# KiCad board poly_kb_molecule_16x5.kicad_pcb (continued)
## Nets (continued)
Net-(C1-Pad1): C1.1 C1#2.1 C1#3.1 C1#4.1 C1#5.1 C1#6.1 C1#7.1 C1#8.1 C1#9.1 C1#10.1 C1#11.1 C1#12.1 C1#13.1 C1#14.1 C1#15.1 C1#16.1 C1#17.1 C1#18.1 C1#19.1 C1#20.1 C1#21.1 C1#22.1 C1#23.1 C1#24.1 C1#25.1 C1#26.1 C1#27.1 C1#28.1 C1#29.1 C1#30.1 C1#31.1 C1#32.1 C1#33.1 C1#34.1 C1#35.1 C1#36.1 C1#37.1 C1#38.1 C1#39.1 C1#40.1 C1#41.1 C1#42.1 C1#43.1 C1#44.1 C1#45.1 C1#46.1 C1#47.1 C1#48.1 C1#49.1 C1#50.1 C1#51.1 C1#52.1 C1#53.1 C1#54.1 C1#55.1 C1#56.1 C1#57.1 C1#58.1 C1#59.1 C1#60.1 C1#61.1 C1#62.1 C1#63.1 C1#64.1 C1#65.1 C1#66.1 C1#67.1 C1#68.1 C1#69.1 C1#70.1 C1#71.1 C1#72.1 C1#73.1 C1#74.1 C1#75.1 C1#76.1 C1#77.1 C1#78.1 C1#79.1 C1#80.1 J1.16 J1#2.16 J1#3.16 J1#4.16 J1#5.16 J1#6.16 J1#7.16 J1#8.16 J1#9.16 J1#10.16 J1#11.16 J1#12.16 J1#13.16 J1#14.16 J1#15.16 J1#16.16 J1#17.16 J1#18.16 J1#19.16 J1#20.16 J1#21.16 J1#22.16 J1#23.16 J1#24.16 J1#25.16 J1#26.16 J1#27.16 J1#28.16 J1#29.16 J1#30.16 J1#31.16 J1#32.16 J1#33.16 J1#34.16 J1#35.16 J1#36.16 J1#37.16 J1#38.16 J1#39.16 J1#40.16 J1#41.16 J1#42.16 J1#43.16 J1#44.16 J1#45.16 J1#46.16 J1#47.16 J1#48.16 J1#49.16 J1#50.16 J1#51.16 J1#52.16 J1#53.16 J1#54.16 J1#55.16 J1#56.16 J1#57.16 J1#58.16 J1#59.16 J1#60.16 J1#61.16 J1#62.16 J1#63.16 J1#64.16 J1#65.16 J1#66.16 J1#67.16 J1#68.16 J1#69.16 J1#70.16 J1#71.16 J1#72.16 J1#73.16 J1#74.16 J1#75.16 J1#76.16 J1#77.16 J1#78.16 J1#79.16 J1#80.16
Net-(C4-Pad1): C4.1 C4#2.1 C4#3.1 C4#4.1 C4#5.1 C4#6.1 C4#7.1 C4#8.1 C4#9.1 C4#10.1 C4#11.1 C4#12.1 C4#13.1 C4#14.1 C4#15.1 C4#16.1 C4#17.1 C4#18.1 C4#19.1 C4#20.1 C4#21.1 C4#22.1 C4#23.1 C4#24.1 C4#25.1 C4#26.1 C4#27.1 C4#28.1 C4#29.1 C4#30.1 C4#31.1 C4#32.1 C4#33.1 C4#34.1 C4#35.1 C4#36.1 C4#37.1 C4#38.1 C4#39.1 C4#40.1 C4#41.1 C4#42.1 C4#43.1 C4#44.1 C4#45.1 C4#46.1 C4#47.1 C4#48.1 C4#49.1 C4#50.1 C4#51.1 C4#52.1 C4#53.1 C4#54.1 C4#55.1 C4#56.1 C4#57.1 C4#58.1 C4#59.1 C4#60.1 C4#61.1 C4#62.1 C4#63.1 C4#64.1 C4#65.1 C4#66.1 C4#67.1 C4#68.1 C4#69.1 C4#70.1 C4#71.1 C4#72.1 C4#73.1 C4#74.1 C4#75.1 C4#76.1 C4#77.1 C4#78.1 C4#79.1 C4#80.1 J1.15 J1#2.15 J1#3.15 J1#4.15 J1#5.15 J1#6.15 J1#7.15 J1#8.15 J1#9.15 J1#10.15 J1#11.15 J1#12.15 J1#13.15 J1#14.15 J1#15.15 J1#16.15 J1#17.15 J1#18.15 J1#19.15 J1#20.15 J1#21.15 J1#22.15 J1#23.15 J1#24.15 J1#25.15 J1#26.15 J1#27.15 J1#28.15 J1#29.15 J1#30.15 J1#31.15 J1#32.15 J1#33.15 J1#34.15 J1#35.15 J1#36.15 J1#37.15 J1#38.15 J1#39.15 J1#40.15 J1#41.15 J1#42.15 J1#43.15 J1#44.15 J1#45.15 J1#46.15 J1#47.15 J1#48.15 J1#49.15 J1#50.15 J1#51.15 J1#52.15 J1#53.15 J1#54.15 J1#55.15 J1#56.15 J1#57.15 J1#58.15 J1#59.15 J1#60.15 J1#61.15 J1#62.15 J1#63.15 J1#64.15 J1#65.15 J1#66.15 J1#67.15 J1#68.15 J1#69.15 J1#70.15 J1#71.15 J1#72.15 J1#73.15 J1#74.15 J1#75.15 J1#76.15 J1#77.15 J1#78.15 J1#79.15 J1#80.15
Net-(C5-Pad1): C5.1 C5#2.1 C5#3.1 C5#4.1 C5#5.1 C5#6.1 C5#7.1 C5#8.1 C5#9.1 C5#10.1 C5#11.1 C5#12.1 C5#13.1 C5#14.1 C5#15.1 C5#16.1 C5#17.1 C5#18.1 C5#19.1 C5#20.1 C5#21.1 C5#22.1 C5#23.1 C5#24.1 C5#25.1 C5#26.1 C5#27.1 C5#28.1 C5#29.1 C5#30.1 C5#31.1 C5#32.1 C5#33.1 C5#34.1 C5#35.1 C5#36.1 C5#37.1 C5#38.1 C5#39.1 C5#40.1 C5#41.1 C5#42.1 C5#43.1 C5#44.1 C5#45.1 C5#46.1 C5#47.1 C5#48.1 C5#49.1 C5#50.1 C5#51.1 C5#52.1 C5#53.1 C5#54.1 C5#55.1 C5#56.1 C5#57.1 C5#58.1 C5#59.1 C5#60.1 C5#61.1 C5#62.1 C5#63.1 C5#64.1 C5#65.1 C5#66.1 C5#67.1 C5#68.1 C5#69.1 C5#70.1 C5#71.1 C5#72.1 C5#73.1 C5#74.1 C5#75.1 C5#76.1 C5#77.1 C5#78.1 C5#79.1 C5#80.1 J1.4 J1#2.4 J1#3.4 J1#4.4 J1#5.4 J1#6.4 J1#7.4 J1#8.4 J1#9.4 J1#10.4 J1#11.4 J1#12.4 J1#13.4 J1#14.4 J1#15.4 J1#16.4 J1#17.4 J1#18.4 J1#19.4 J1#20.4 J1#21.4 J1#22.4 J1#23.4 J1#24.4 J1#25.4 J1#26.4 J1#27.4 J1#28.4 J1#29.4 J1#30.4 J1#31.4 J1#32.4 J1#33.4 J1#34.4 J1#35.4 J1#36.4 J1#37.4 J1#38.4 J1#39.4 J1#40.4 J1#41.4 J1#42.4 J1#43.4 J1#44.4 J1#45.4 J1#46.4 J1#47.4 J1#48.4 J1#49.4 J1#50.4 J1#51.4 J1#52.4 J1#53.4 J1#54.4 J1#55.4 J1#56.4 J1#57.4 J1#58.4 J1#59.4 J1#60.4 J1#61.4 J1#62.4 J1#63.4 J1#64.4 J1#65.4 J1#66.4 J1#67.4 J1#68.4 J1#69.4 J1#70.4 J1#71.4 J1#72.4 J1#73.4 J1#74.4 J1#75.4 J1#76.4 J1#77.4 J1#78.4 J1#79.4 J1#80.4
Net-(C5-Pad2): C5.2 C5#2.2 C5#3.2 C5#4.2 C5#5.2 C5#6.2 C5#7.2 C5#8.2 C5#9.2 C5#10.2 C5#11.2 C5#12.2 C5#13.2 C5#14.2 C5#15.2 C5#16.2 C5#17.2 C5#18.2 C5#19.2 C5#20.2 C5#21.2 C5#22.2 C5#23.2 C5#24.2 C5#25.2 C5#26.2 C5#27.2 C5#28.2 C5#29.2 C5#30.2 C5#31.2 C5#32.2 C5#33.2 C5#34.2 C5#35.2 C5#36.2 C5#37.2 C5#38.2 C5#39.2 C5#40.2 C5#41.2 C5#42.2 C5#43.2 C5#44.2 C5#45.2 C5#46.2 C5#47.2 C5#48.2 C5#49.2 C5#50.2 C5#51.2 C5#52.2 C5#53.2 C5#54.2 C5#55.2 C5#56.2 C5#57.2 C5#58.2 C5#59.2 C5#60.2 C5#61.2 C5#62.2 C5#63.2 C5#64.2 C5#65.2 C5#66.2 C5#67.2 C5#68.2 C5#69.2 C5#70.2 C5#71.2 C5#72.2 C5#73.2 C5#74.2 C5#75.2 C5#76.2 C5#77.2 C5#78.2 C5#79.2 C5#80.2 J1.5 J1#2.5 J1#3.5 J1#4.5 J1#5.5 J1#6.5 J1#7.5 J1#8.5 J1#9.5 J1#10.5 J1#11.5 J1#12.5 J1#13.5 J1#14.5 J1#15.5 J1#16.5 J1#17.5 J1#18.5 J1#19.5 J1#20.5 J1#21.5 J1#22.5 J1#23.5 J1#24.5 J1#25.5 J1#26.5 J1#27.5 J1#28.5 J1#29.5 J1#30.5 J1#31.5 J1#32.5 J1#33.5 J1#34.5 J1#35.5 J1#36.5 J1#37.5 J1#38.5 J1#39.5 J1#40.5 J1#41.5 J1#42.5 J1#43.5 J1#44.5 J1#45.5 J1#46.5 J1#47.5 J1#48.5 J1#49.5 J1#50.5 J1#51.5 J1#52.5 J1#53.5 J1#54.5 J1#55.5 J1#56.5 J1#57.5 J1#58.5 J1#59.5 J1#60.5 J1#61.5 J1#62.5 J1#63.5 J1#64.5 J1#65.5 J1#66.5 J1#67.5 J1#68.5 J1#69.5 J1#70.5 J1#71.5 J1#72.5 J1#73.5 J1#74.5 J1#75.5 J1#76.5 J1#77.5 J1#78.5 J1#79.5 J1#80.5
Net-(C6-Pad1): C6.1 C6#2.1 C6#3.1 C6#4.1 C6#5.1 C6#6.1 C6#7.1 C6#8.1 C6#9.1 C6#10.1 C6#11.1 C6#12.1 C6#13.1 C6#14.1 C6#15.1 C6#16.1 C6#17.1 C6#18.1 C6#19.1 C6#20.1 C6#21.1 C6#22.1 C6#23.1 C6#24.1 C6#25.1 C6#26.1 C6#27.1 C6#28.1 C6#29.1 C6#30.1 C6#31.1 C6#32.1 C6#33.1 C6#34.1 C6#35.1 C6#36.1 C6#37.1 C6#38.1 C6#39.1 C6#40.1 C6#41.1 C6#42.1 C6#43.1 C6#44.1 C6#45.1 C6#46.1 C6#47.1 C6#48.1 C6#49.1 C6#50.1 C6#51.1 C6#52.1 C6#53.1 C6#54.1 C6#55.1 C6#56.1 C6#57.1 C6#58.1 C6#59.1 C6#60.1 C6#61.1 C6#62.1 C6#63.1 C6#64.1 C6#65.1 C6#66.1 C6#67.1 C6#68.1 C6#69.1 C6#70.1 C6#71.1 C6#72.1 C6#73.1 C6#74.1 C6#75.1 C6#76.1 C6#77.1 C6#78.1 C6#79.1 C6#80.1 J1.6 J1#2.6 J1#3.6 J1#4.6 J1#5.6 J1#6.6 J1#7.6 J1#8.6 J1#9.6 J1#10.6 J1#11.6 J1#12.6 J1#13.6 J1#14.6 J1#15.6 J1#16.6 J1#17.6 J1#18.6 J1#19.6 J1#20.6 J1#21.6 J1#22.6 J1#23.6 J1#24.6 J1#25.6 J1#26.6 J1#27.6 J1#28.6 J1#29.6 J1#30.6 J1#31.6 J1#32.6 J1#33.6 J1#34.6 J1#35.6 J1#36.6 J1#37.6 J1#38.6 J1#39.6 J1#40.6 J1#41.6 J1#42.6 J1#43.6 J1#44.6 J1#45.6 J1#46.6 J1#47.6 J1#48.6 J1#49.6 J1#50.6 J1#51.6 J1#52.6 J1#53.6 J1#54.6 J1#55.6 J1#56.6 J1#57.6 J1#58.6 J1#59.6 J1#60.6 J1#61.6 J1#62.6 J1#63.6 J1#64.6 J1#65.6 J1#66.6 J1#67.6 J1#68.6 J1#69.6 J1#70.6 J1#71.6 J1#72.6 J1#73.6 J1#74.6 J1#75.6 J1#76.6 J1#77.6 J1#78.6 J1#79.6 J1#80.6
Net-(C6-Pad2): C6.2 C6#2.2 C6#3.2 C6#4.2 C6#5.2 C6#6.2 C6#7.2 C6#8.2 C6#9.2 C6#10.2 C6#11.2 C6#12.2 C6#13.2 C6#14.2 C6#15.2 C6#16.2 C6#17.2 C6#18.2 C6#19.2 C6#20.2 C6#21.2 C6#22.2 C6#23.2 C6#24.2 C6#25.2 C6#26.2 C6#27.2 C6#28.2 C6#29.2 C6#30.2 C6#31.2 C6#32.2 C6#33.2 C6#34.2 C6#35.2 C6#36.2 C6#37.2 C6#38.2 C6#39.2 C6#40.2 C6#41.2 C6#42.2 C6#43.2 C6#44.2 C6#45.2 C6#46.2 C6#47.2 C6#48.2 C6#49.2 C6#50.2 C6#51.2 C6#52.2 C6#53.2 C6#54.2 C6#55.2 C6#56.2 C6#57.2 C6#58.2 C6#59.2 C6#60.2 C6#61.2 C6#62.2 C6#63.2 C6#64.2 C6#65.2 C6#66.2 C6#67.2 C6#68.2 C6#69.2 C6#70.2 C6#71.2 C6#72.2 C6#73.2 C6#74.2 C6#75.2 C6#76.2 C6#77.2 C6#78.2 C6#79.2 C6#80.2 J1.7 J1#2.7 J1#3.7 J1#4.7 J1#5.7 J1#6.7 J1#7.7 J1#8.7 J1#9.7 J1#10.7 J1#11.7 J1#12.7 J1#13.7 J1#14.7 J1#15.7 J1#16.7 J1#17.7 J1#18.7 J1#19.7 J1#20.7 J1#21.7 J1#22.7 J1#23.7 J1#24.7 J1#25.7 J1#26.7 J1#27.7 J1#28.7 J1#29.7 J1#30.7 J1#31.7 J1#32.7 J1#33.7 J1#34.7 J1#35.7 J1#36.7 J1#37.7 J1#38.7 J1#39.7 J1#40.7 J1#41.7 J1#42.7 J1#43.7 J1#44.7 J1#45.7 J1#46.7 J1#47.7 J1#48.7 J1#49.7 J1#50.7 J1#51.7 J1#52.7 J1#53.7 J1#54.7 J1#55.7 J1#56.7 J1#57.7 J1#58.7 J1#59.7 J1#60.7 J1#61.7 J1#62.7 J1#63.7 J1#64.7 J1#65.7 J1#66.7 J1#67.7 J1#68.7 J1#69.7 J1#70.7 J1#71.7 J1#72.7 J1#73.7 J1#74.7 J1#75.7 J1#76.7 J1#77.7 J1#78.7 J1#79.7 J1#80.7
Net-(D1-Pad2): D1.2 D1#2.2 D1#3.2 D1#4.2 D1#5.2 D1#6.2 D1#7.2 D1#8.2 D1#9.2 D1#10.2 D1#11.2 D1#12.2 D1#13.2 D1#14.2 D1#15.2 D1#16.2 D1#17.2 D1#18.2 D1#19.2 D1#20.2 D1#21.2 D1#22.2 D1#23.2 D1#24.2 D1#25.2 D1#26.2 D1#27.2 D1#28.2 D1#29.2 D1#30.2 D1#31.2 D1#32.2 D1#33.2 D1#34.2 D1#35.2 D1#36.2 D1#37.2 D1#38.2 D1#39.2 D1#40.2 D1#41.2 D1#42.2 D1#43.2 D1#44.2 D1#45.2 D1#46.2 D1#47.2 D1#48.2 D1#49.2 D1#50.2 D1#51.2 D1#52.2 D1#53.2 D1#54.2 D1#55.2 D1#56.2 D1#57.2 D1#58.2 D1#59.2 D1#60.2 D1#61.2 D1#62.2 D1#63.2 D1#64.2 D1#65.2 D1#66.2 D1#67.2 D1#68.2 D1#69.2 D1#70.2 D1#71.2 D1#72.2 D1#73.2 D1#74.2 D1#75.2 D1#76.2 D1#77.2 D1#78.2 D1#79.2 D1#80.2 SW1.2 SW1#2.2 SW1#3.2 SW1#4.2 SW1#5.2 SW1#6.2 SW1#7.2 SW1#8.2 SW1#9.2 SW1#10.2 SW1#11.2 SW1#12.2 SW1#13.2 SW1#14.2 SW1#15.2 SW1#16.2 SW1#17.2 SW1#18.2 SW1#19.2 SW1#20.2 SW1#21.2 SW1#22.2 SW1#23.2 SW1#24.2 SW1#25.2 SW1#26.2 SW1#27.2 SW1#28.2 SW1#29.2 SW1#30.2 SW1#31.2 SW1#32.2 SW1#33.2 SW1#34.2 SW1#35.2 SW1#36.2 SW1#37.2 SW1#38.2 SW1#39.2 SW1#40.2 SW1#41.2 SW1#42.2 SW1#43.2 SW1#44.2 SW1#45.2 SW1#46.2 SW1#47.2 SW1#48.2 SW1#49.2 SW1#50.2 SW1#51.2 SW1#52.2 SW1#53.2 SW1#54.2 SW1#55.2 SW1#56.2 SW1#57.2 SW1#58.2 SW1#59.2 SW1#60.2 SW1#61.2 SW1#62.2 SW1#63.2 SW1#64.2 SW1#65.2 SW1#66.2 SW1#67.2 SW1#68.2 SW1#69.2 SW1#70.2 SW1#71.2 SW1#72.2 SW1#73.2 SW1#74.2 SW1#75.2 SW1#76.2 SW1#77.2 SW1#78.2 SW1#79.2 SW1#80.2

Pads without a net: J1 0 2; J1#2 0 2; J1#3 0 2; J1#4 0 2; J1#5 0 2; J1#6 0 2; J1#7 0 2; J1#8 0 2; J1#9 0 2; J1#10 0 2; J1#11 0 2; J1#12 0 2; J1#13 0 2; J1#14 0 2; J1#15 0 2; J1#16 0 2; J1#17 0 2; J1#18 0 2; J1#19 0 2; J1#20 0 2; J1#21 0 2; J1#22 0 2; J1#23 0 2; J1#24 0 2; J1#25 0 2; J1#26 0 2; J1#27 0 2; J1#28 0 2; J1#29 0 2; J1#30 0 2; J1#31 0 2; J1#32 0 2; J1#33 0 2; J1#34 0 2; J1#35 0 2; J1#36 0 2; J1#37 0 2; J1#38 0 2; J1#39 0 2; J1#40 0 2; J1#41 0 2; J1#42 0 2; J1#43 0 2; J1#44 0 2; J1#45 0 2; J1#46 0 2; J1#47 0 2; J1#48 0 2; J1#49 0 2; J1#50 0 2; J1#51 0 2; J1#52 0 2; J1#53 0 2; J1#54 0 2; J1#55 0 2; J1#56 0 2; J1#57 0 2; J1#58 0 2; J1#59 0 2; J1#60 0 2; J1#61 0 2; J1#62 0 2; J1#63 0 2; J1#64 0 2; J1#65 0 2; J1#66 0 2; J1#67 0 2; J1#68 0 2; J1#69 0 2; J1#70 0 2; J1#71 0 2; J1#72 0 2; J1#73 0 2; J1#74 0 2; J1#75 0 2; J1#76 0 2; J1#77 0 2; J1#78 0 2; J1#79 0 2; J1#80 0 2

## Via types
v1: diameter 0.61, hole 0.356, Top to Bottom, 3834 vias
v2: diameter 0.8, hole 0.4, Top to Bottom, 160 vias

## Routing (per net, layer and track width the routed paths; a pad name or vN(x,y) marks a point on that pad's centre or on a via; arc(x,y) is an arc through that point)
/Keyboard/sheet605ED2EB/3V3: length 2167.5
  Top w0.25: J3#75.2 287.13,72.67 v1(288.39,71.42) ; v1(231.24,33.32) 229.98,34.58 J3#44.2 ; v1(97.89,71.42) 96.63,72.67 J3#74.2 ; v1(231.24,71.42) 229.98,72.67 J3#19.2 ; J3#31.2 1.38,72.67 v1(2.64,71.42) ; v1(59.79,33.32) 58.53,34.58 J3#78.2 ; J3#26.2 172.83,72.67 v1(174.09,71.42) ; v1(135.99,14.27) 134.73,15.53 J3#66.2 ; v1(193.14,33.32) 191.88,34.58 J3#63.2 ; v1(288.39,90.47) 287.13,91.72 J3#62.2 ; v1(2.64,90.47) 1.38,91.72 J3.2 ; J3#50.2 20.43,15.53 v1(21.69,14.27) ; v1(193.14,14.27) 191.88,15.53 J3#16.2 ; v1(155.04,71.42) 153.78,72.67 J3#43.2 ; J3#5.2 249.03,15.53 v1(250.29,14.27) ; v1(21.69,33.32) 20.43,34.58 J3#28.2 ; v1(269.34,33.32) 268.08,34.58 J3#37.2 ; J3#42.2 96.63,34.58 v1(97.89,33.32) ; v1(155.04,14.27) 153.78,15.53 J3#71.2 ; v1(231.24,90.47) 229.98,91.72 J3#13.2 ; v1(40.74,14.27) 39.48,15.53 J3#9.2 ; J3#33.2 287.13,53.62 v1(288.39,52.37) ; J3#61.2 249.03,91.72 v1(250.29,90.47) ; v1(288.39,33.32) 287.13,34.58 J3#4.2 ; J3#77.2 39.48,91.72 v1(40.74,90.47) ; J3#69.2 134.73,53.62 v1(135.99,52.37) ; J3#53.2 191.88,91.72 v1(193.14,90.47) ; v1(40.74,52.37) 39.48,53.62 J3#22.2 ; J3#21.2 58.53,72.67 v1(59.79,71.42) ; J3#67.2 96.63,15.53 v1(97.89,14.27) ; v1(231.24,52.37) 229.98,53.62 J3#56.2 ; J3#24.2 191.88,53.62 v1(193.14,52.37) ; J3#80.2 249.03,53.62 v1(250.29,52.37) ; v1(174.09,90.47) 172.83,91.72 J3#68.2 ; J3#49.2 115.68,34.58 v1(116.94,33.32) ; v1(59.79,90.47) 58.53,91.72 J3#45.2 ; J3#65.2 115.68,91.72 v1(116.94,90.47) ; v1(174.09,52.37) 172.83,53.62 J3#36.2 ; v1(40.74,33.32) 39.48,34.58 J3#58.2 ; J3#46.2 58.53,53.62 v1(59.79,52.37) ; J3#11.2 134.73,34.58 v1(135.99,33.32) ; J3#7.2 115.68,53.62 v1(116.94,52.37) ; J3#51.2 134.73,91.72 v1(135.99,90.47) ; J3#10.2 268.08,15.53 v1(269.34,14.27) ; v1(21.69,90.47) 20.43,91.72 J3#40.2 ; v1(78.84,90.47) 77.58,91.72 J3#32.2 ; v1(78.84,14.27) 77.58,15.53 J3#17.2 ; v1(97.89,52.37) 96.63,53.62 J3#55.2 ; J3#79.2 77.58,53.62 v1(78.84,52.37) ; J3#48.2 249.03,34.58 v1(250.29,33.32) ; v1(269.34,90.47) 268.08,91.72 J3#15.2 ; J3#57.2 1.38,34.58 v1(2.64,33.32) ; J3#38.2 229.98,15.53 v1(231.24,14.27) ; J3#12.2 77.58,34.58 v1(78.84,33.32) ; v1(135.99,71.42) 134.73,72.67 J3#41.2 ; J3#29.2 1.38,15.53 v1(2.64,14.27) ; v1(212.19,33.32) 210.93,34.58 J3#14.2 ; J3#64.2 153.78,53.62 v1(155.04,52.37) ; J3#73.2 96.63,91.72 v1(97.89,90.47) ; v1(288.39,14.27) 287.13,15.53 J3#18.2 ; v1(21.69,71.42) 20.43,72.67 J3#30.2 ; J3#52.2 58.53,15.53 v1(59.79,14.27) ; J3#39.2 210.93,72.67 v1(212.19,71.42) ; v1(155.04,90.47) 153.78,91.72 J3#23.2 ; J3#6.2 20.43,53.62 v1(21.69,52.37) ; v1(155.04,33.32) 153.78,34.58 J3#8.2 ; J3#25.2 115.68,15.53 v1(116.94,14.27) ; J3#34.2 268.08,53.62 v1(269.34,52.37) ; J3#27.2 77.58,72.67 v1(78.84,71.42) ; J3#59.2 39.48,72.67 v1(40.74,71.42) ; v1(269.34,71.42) 268.08,72.67 J3#60.2 ; v1(116.94,71.42) 115.68,72.67 J3#2.2 ; J3#72.2 249.03,72.67 v1(250.29,71.42) ; v1(212.19,90.47) 210.93,91.72 J3#70.2 ; J3#54.2 210.93,15.53 v1(212.19,14.27) ; J3#35.2 172.83,34.58 v1(174.09,33.32) ; v1(212.19,52.37) 210.93,53.62 J3#47.2 ; v1(174.09,14.27) 172.83,15.53 J3#3.2 ; J3#20.2 1.38,53.62 v1(2.64,52.37) ; v1(193.14,71.42) 191.88,72.67 J3#76.2
  Top w0.3: 153.91,16.02 J3#71.2 ; 1.51,73.17 J3#31.2 ; 268.21,54.12 J3#34.2 ; 287.26,16.02 J3#18.2 ; 172.96,35.07 J3#35.2 ; 249.16,54.12 J3#80.2 ; 211.06,92.22 J3#70.2 ; 58.66,73.17 J3#21.2 ; 20.56,35.07 J3#28.2 ; 287.26,73.17 J3#75.2 ; 268.21,16.02 J3#10.2 ; 1.51,54.12 J3#20.2 ; 115.81,92.22 J3#65.2 ; 20.56,54.12 J3#6.2 ; 230.11,92.22 J3#13.2 ; 172.96,73.17 J3#26.2 ; 211.06,73.17 J3#39.2 ; 1.51,35.07 J3#57.2 ; 211.06,54.12 J3#47.2 ; 39.61,35.07 J3#58.2 ; 172.96,16.02 J3#3.2 ; 268.21,92.22 J3#15.2 ; 134.86,73.17 J3#41.2 ; 268.21,73.17 J3#60.2 ; 192.01,92.22 J3#53.2 ; 39.61,73.17 J3#59.2 ; 77.71,92.22 J3#32.2 ; 287.26,54.12 J3#33.2 ; 153.91,73.17 J3#43.2 ; 1.51,16.02 J3#29.2 ; 192.01,16.02 J3#16.2 ; 192.01,35.07 J3#63.2 ; 115.81,54.12 J3#7.2 ; 20.56,92.22 J3#40.2 ; 58.66,54.12 J3#46.2 ; 249.16,92.22 J3#61.2 ; 115.81,35.07 J3#49.2 ; 249.16,73.17 J3#72.2 ; 192.01,54.12 J3#24.2 ; 96.76,16.02 J3#67.2 ; 153.91,35.07 J3#8.2 ; 58.66,16.02 J3#52.2 ; 211.06,35.07 J3#14.2 ; 39.61,16.02 J3#9.2 ; 58.66,92.22 J3#45.2 ; 211.06,16.02 J3#54.2 ; 249.16,16.02 J3#5.2 ; 20.56,16.02 J3#50.2 ; 153.91,92.22 J3#23.2 ; 153.91,54.12 J3#64.2 ; 230.11,73.17 J3#19.2 ; 287.26,92.22 J3#62.2 ; 77.71,35.07 J3#12.2 ; 77.71,73.17 J3#27.2 ; 230.11,16.02 J3#38.2 ; 39.61,54.12 J3#22.2 ; 249.16,35.07 J3#48.2 ; 134.86,54.12 J3#69.2 ; 230.11,54.12 J3#56.2 ; 115.81,73.17 J3#2.2 ; 192.01,73.17 J3#76.2 ; 1.51,92.22 J3.2 ; 96.76,35.07 J3#42.2 ; 96.76,54.12 J3#55.2 ; 134.86,35.07 J3#11.2 ; 96.76,92.22 J3#73.2 ; 172.96,54.12 J3#36.2 ; 287.26,35.07 J3#4.2 ; 39.61,92.22 J3#77.2 ; 58.66,35.07 J3#78.2 ; 134.86,16.02 J3#66.2 ; 77.71,16.02 J3#17.2 ; 172.96,92.22 J3#68.2 ; 77.71,54.12 J3#79.2 ; 268.21,35.07 J3#37.2 ; 115.81,16.02 J3#25.2 ; 20.56,73.17 J3#30.2 ; 134.86,92.22 J3#51.2 ; 230.11,35.07 J3#44.2 ; 96.76,73.17 J3#74.2
  Top w0.5: J3#25.2 115.82,16.03 116.97,16.03 117.02,15.97 v1(117.59,15.97) 117.59,15.93 118.11,15.4 132.21,15.4 J4#12.2 ; J4#2.2 303.66,53.5 289.56,53.5 289.04,54.03 v1(289.04,54.07) 288.47,54.07 288.42,54.13 287.27,54.13 J3#33.2 ; 180.58,53.58 180.87,53.58 180.72,53.72 ; 180.58,53.58 180.72,53.72 ; 180.58,53.58 180.53,53.53 ; J4#57.2 94.11,72.55 80.01,72.55 79.49,73.08 v1(79.49,73.12) 78.92,73.12 78.87,73.18 77.72,73.18 J3#27.2 ; v1(275.97,35.18) 275.97,34.67 ; 275.97,34.67 275.83,34.53 ; 275.97,34.67 276.12,34.53 275.83,34.53 ; 275.83,72.63 275.78,72.58 ; 275.83,72.63 275.97,72.77 ; 275.83,72.63 276.12,72.63 275.97,72.77 ; 104.38,34.53 104.67,34.53 104.52,34.67 ; 104.38,34.53 104.33,34.48 ; 104.38,34.53 104.52,34.67 ; 210.82,34.58 211.02,34.77 ; 1.27,72.67 1.47,72.87 ; v1(85.47,35.18) 85.47,34.67 ; 85.47,34.67 85.33,34.53 ; 85.47,34.67 85.62,34.53 85.33,34.53 ; v1(237.87,35.18) 237.87,34.67 ; 237.87,34.67 237.73,34.53 ; 237.87,34.67 238.02,34.53 237.73,34.53 ; 199.63,72.63 199.92,72.63 199.77,72.77 ; 199.63,72.63 199.58,72.58 ; 199.63,72.63 199.77,72.77 ; 123.57,34.67 123.43,34.53 ; 123.57,34.67 v1(123.57,35.18) ; 123.57,34.67 123.72,34.53 123.43,34.53 ; 123.43,34.53 123.38,34.48 ; 47.23,53.58 47.52,53.58 47.37,53.72 ; 47.23,53.58 47.18,53.53 ; 47.23,53.58 47.37,53.72 ; 85.33,15.48 85.28,15.43 ; 85.33,15.48 85.62,15.48 85.47,15.62 ; 85.33,15.48 85.47,15.62 ; 9.13,15.48 9.42,15.48 9.27,15.62 ; 9.13,15.48 9.08,15.43 ; 9.13,15.48 9.27,15.62 ; 123.57,91.82 123.43,91.68 ; 123.57,91.82 123.72,91.68 123.43,91.68 ; 123.57,91.82 v1(123.57,92.33) ; 123.43,91.68 123.38,91.63 ; 123.43,53.58 123.38,53.53 ; 123.43,53.58 123.72,53.58 123.57,53.72 ; 123.43,53.58 123.57,53.72 ; 28.18,72.63 28.47,72.63 28.32,72.77 ; 28.18,72.63 28.32,72.77 ; 28.18,72.63 28.13,72.58 ; 180.72,15.62 180.87,15.48 180.58,15.48 ; 180.72,15.62 180.58,15.48 ; 180.72,15.62 v1(180.72,16.13) ; 96.52,53.62 96.72,53.82 ; 229.87,15.53 230.07,15.72 ; 28.32,15.62 28.18,15.48 ; 28.32,15.62 v1(28.32,16.13) ; 28.32,15.62 28.47,15.48 28.18,15.48 ; 28.18,15.48 28.13,15.43 ; 161.53,15.48 161.82,15.48 161.67,15.62 ; 161.53,15.48 161.67,15.62 ; 161.53,15.48 161.48,15.43 ; 275.97,72.77 v1(275.97,73.28) ; 161.67,53.72 161.82,53.58 161.53,53.58 ; 161.67,53.72 v1(161.67,54.23) ; 161.67,53.72 161.53,53.58 ; J3#67.2 96.77,16.03 97.92,16.03 97.97,15.97 v1(98.54,15.97) 98.54,15.93 99.06,15.4 113.16,15.4 J4#44.2 ; 256.92,72.77 256.78,72.63 ; 256.92,72.77 257.07,72.63 256.78,72.63 ; 256.92,72.77 v1(256.92,73.28) ; 256.78,72.63 256.73,72.58 ; 180.58,34.53 180.87,34.53 180.72,34.67 ; 180.58,34.53 180.53,34.48 ; 180.58,34.53 180.72,34.67 ; 104.52,91.82 104.38,91.68 ; 104.52,91.82 v1(104.52,92.33) ; 104.52,91.82 104.67,91.68 104.38,91.68 ; 104.38,91.68 104.33,91.63 ; v1(161.67,16.13) 161.67,15.62 ; J3#19.2 230.12,73.18 231.27,73.18 231.32,73.12 v1(231.89,73.12) 231.89,73.08 232.41,72.55 246.51,72.55 J4#54.2 ; v1(28.32,35.18) 28.32,34.67 ; 28.32,34.67 28.47,34.53 28.18,34.53 ; 28.32,34.67 28.18,34.53 ; J3#34.2 268.22,54.13 269.37,54.13 269.42,54.07 v1(269.99,54.07) 269.99,54.03 270.51,53.5 284.61,53.5 J4#71.2 ; 237.73,53.58 237.68,53.53 ; 237.73,53.58 238.02,53.58 237.87,53.72 ; 237.73,53.58 237.87,53.72 ; J3#11.2 134.87,35.08 136.02,35.08 136.07,35.02 v1(136.64,35.02) 136.64,34.98 137.16,34.45 151.26,34.45 J4#36.2 ; 191.77,15.53 191.97,15.72 ; 39.37,15.53 39.57,15.72 ; v1(123.57,16.13) 123.57,15.62 ; 123.57,15.62 123.72,15.48 123.43,15.48 ; 123.57,15.62 123.43,15.48 ; 28.32,91.82 28.47,91.68 28.18,91.68 ; 28.32,91.82 28.18,91.68 ; 28.32,91.82 v1(28.32,92.33) ; 20.32,53.62 20.52,53.82 ; v1(161.67,73.28) 161.67,72.77 ; 161.67,72.77 161.53,72.63 ; 161.67,72.77 161.82,72.63 161.53,72.63 ; 104.52,34.67 v1(104.52,35.18) ; 295.02,53.72 294.88,53.58 ; 295.02,53.72 v1(295.02,54.23) ; 295.02,53.72 295.17,53.58 294.88,53.58 ; 294.88,53.58 294.83,53.53 ; 39.37,91.72 39.57,91.92 ; 275.83,34.53 275.78,34.48 ; J3#8.2 153.92,35.08 155.07,35.08 155.12,35.02 v1(155.69,35.02) 155.69,34.98 156.21,34.45 170.31,34.45 J4#68.2 ; 20.32,15.53 20.52,15.72 ; v1(9.27,92.33) 9.27,91.82 ; 9.27,91.82 9.13,91.68 ; 9.27,91.82 9.42,91.68 9.13,91.68 ; 295.02,91.82 295.17,91.68 294.88,91.68 ; 295.02,91.82 294.88,91.68 ; 295.02,91.82 v1(295.02,92.33) ; 115.57,34.58 115.77,34.77 ; 275.97,91.82 275.83,91.68 ; 275.97,91.82 276.12,91.68 275.83,91.68 ; 275.97,91.82 v1(275.97,92.33) ; 275.83,91.68 275.78,91.63 ; v1(218.82,35.18) 218.82,34.67 ; 218.82,34.67 218.68,34.53 ; 218.82,34.67 218.97,34.53 218.68,34.53 ; v1(256.92,92.33) 256.92,91.82 ; 256.92,91.82 256.78,91.68 ; 256.92,91.82 257.07,91.68 256.78,91.68 ; J3#72.2 249.17,73.18 250.32,73.18 250.37,73.12 v1(250.94,73.12) 250.94,73.08 251.46,72.55 265.56,72.55 J4#39.2 ; 161.53,72.63 161.48,72.58 ; 77.47,91.72 77.67,91.92 ; 287.02,15.53 287.22,15.72 ; J4#40.2 36.96,15.4 22.86,15.4 22.34,15.93 v1(22.34,15.97) 21.77,15.97 21.72,16.03 20.57,16.03 J3#50.2 ; 134.62,53.62 134.82,53.82 ; 66.28,91.68 66.23,91.63 ; 66.28,91.68 66.57,91.68 66.42,91.82 ; 66.28,91.68 66.42,91.82 ; 142.62,72.77 142.77,72.63 142.48,72.63 ; 142.62,72.77 v1(142.62,73.28) ; 142.62,72.77 142.48,72.63 ; 295.02,34.67 295.17,34.53 294.88,34.53 ; 295.02,34.67 v1(295.02,35.18) ; 295.02,34.67 294.88,34.53 ; J4#67.2 36.96,34.45 22.86,34.45 22.34,34.98 v1(22.34,35.02) 21.77,35.02 21.72,35.08 20.57,35.08 J3#28.2 ; 218.82,15.62 218.68,15.48 ; 218.82,15.62 218.97,15.48 218.68,15.48 ; 218.82,15.62 v1(218.82,16.13) ; 218.68,15.48 218.63,15.43 ; 142.48,91.68 142.43,91.63 ; 142.48,91.68 142.62,91.82 ; 142.48,91.68 142.77,91.68 142.62,91.82 ; 28.18,91.68 28.13,91.63 ; v1(85.47,73.28) 85.47,72.77 ; 85.47,72.77 85.33,72.63 ; 85.47,72.77 85.62,72.63 85.33,72.63 ; 218.82,91.82 218.97,91.68 218.68,91.68 ; 218.82,91.82 218.68,91.68 ; 218.82,91.82 v1(218.82,92.33) ; 161.67,91.82 161.82,91.68 161.53,91.68 ; 161.67,91.82 161.53,91.68 ; 161.67,91.82 v1(161.67,92.33) ; J4#13.2 227.46,34.45 213.36,34.45 212.84,34.98 v1(212.84,35.02) 212.27,35.02 212.22,35.08 211.07,35.08 J3#14.2 ; 123.43,72.63 123.72,72.63 123.57,72.77 ; 123.43,72.63 123.57,72.77 ; 123.43,72.63 123.38,72.58 ; 115.57,91.72 115.77,91.92 ; 161.53,91.68 161.48,91.63 ; 85.33,72.63 85.28,72.58 ; J4#4.2 227.46,72.55 213.36,72.55 212.84,73.08 v1(212.84,73.12) 212.27,73.12 212.22,73.18 211.07,73.18 J3#39.2 ; 47.37,15.62 47.23,15.48 ; 47.37,15.62 47.52,15.48 47.23,15.48 ; 47.37,15.62 v1(47.37,16.13) ; 47.23,15.48 47.18,15.43 ; 28.32,53.72 28.47,53.58 28.18,53.58 ; 28.32,53.72 28.18,53.58 ; 28.32,53.72 v1(28.32,54.23) ; 237.87,15.62 238.02,15.48 237.73,15.48 ; 237.87,15.62 237.73,15.48 ; 237.87,15.62 v1(237.87,16.13) ; J4#33.2 113.16,53.5 99.06,53.5 98.54,54.03 v1(98.54,54.07) 97.97,54.07 97.92,54.13 96.77,54.13 J3#55.2 ; 199.77,91.82 199.92,91.68 199.63,91.68 ; 199.77,91.82 v1(199.77,92.33) ; 199.77,91.82 199.63,91.68 ; 256.92,15.62 256.78,15.48 ; 256.92,15.62 v1(256.92,16.13) ; 256.92,15.62 257.07,15.48 256.78,15.48 ; 256.78,15.48 256.73,15.43 ; J4#22.2 94.11,15.4 80.01,15.4 79.49,15.93 v1(79.49,15.97) 78.92,15.97 78.87,16.03 77.72,16.03 J3#17.2 ; 104.52,15.62 104.67,15.48 104.38,15.48 ; 104.52,15.62 v1(104.52,16.13) ; 104.52,15.62 104.38,15.48 ; 256.78,91.68 256.73,91.63 ; 191.77,34.58 191.97,34.77 ; 85.47,15.62 v1(85.47,16.13) ; J3#41.2 134.87,73.18 136.02,73.18 136.07,73.12 v1(136.64,73.12) 136.64,73.08 137.16,72.55 151.26,72.55 J4#14.2 ; 85.47,53.72 85.33,53.58 ; 85.47,53.72 v1(85.47,54.23) ; 85.47,53.72 85.62,53.58 85.33,53.58 ; 85.33,53.58 85.28,53.53 ; 104.38,15.48 104.33,15.43 ; J3#5.2 249.17,16.03 250.32,16.03 250.37,15.97 v1(250.94,15.97) 250.94,15.93 251.46,15.4 265.56,15.4 J4#51.2 ; 85.47,91.82 85.62,91.68 85.33,91.68 ; 85.47,91.82 v1(85.47,92.33) ; 85.47,91.82 85.33,91.68 ; 123.57,72.77 v1(123.57,73.28) ; J3#49.2 115.82,35.08 116.97,35.08 117.02,35.02 v1(117.59,35.02) 117.59,34.98 118.11,34.45 132.21,34.45 J4#5.2 ; 66.42,72.77 66.28,72.63 ; 66.42,72.77 v1(66.42,73.28) ; 66.42,72.77 66.57,72.63 66.28,72.63 ; 66.28,72.63 66.23,72.58 ; 9.27,72.77 9.13,72.63 ; 9.27,72.77 v1(9.27,73.28) ; 9.27,72.77 9.42,72.63 9.13,72.63 ; 9.13,72.63 9.08,72.58 ; 237.73,91.68 238.02,91.68 237.87,91.82 ; 237.73,91.68 237.87,91.82 ; 237.73,91.68 237.68,91.63 ; v1(295.02,73.28) 295.02,72.77 ; 295.02,72.77 295.17,72.63 294.88,72.63 ; 295.02,72.77 294.88,72.63 ; v1(237.87,92.33) 237.87,91.82 ; 180.58,91.68 180.87,91.68 180.72,91.82 ; 180.58,91.68 180.72,91.82 ; 180.58,91.68 180.53,91.63 ; J4#11.2 75.06,72.55 60.96,72.55 60.44,73.08 v1(60.44,73.12) 59.87,73.12 59.82,73.18 58.67,73.18 J3#21.2 ; 104.52,72.77 104.67,72.63 104.38,72.63 ; 104.52,72.77 104.38,72.63 ; 104.52,72.77 v1(104.52,73.28) ; 180.58,15.48 180.53,15.43 ; 180.58,72.63 180.53,72.58 ; 180.58,72.63 180.87,72.63 180.72,72.77 ; 180.58,72.63 180.72,72.77 ; J4#80.2 303.66,72.55 289.56,72.55 289.04,73.08 v1(289.04,73.12) 288.47,73.12 288.42,73.18 287.27,73.18 J3#75.2 ; 248.92,91.72 249.12,91.92 ; v1(180.72,54.23) 180.72,53.72 ; J3#7.2 115.82,54.13 116.97,54.13 117.02,54.07 v1(117.59,54.07) 117.59,54.03 118.11,53.5 132.21,53.5 J4#23.2 ; 28.18,34.53 28.13,34.48 ; J4#63.2 94.11,53.5 80.01,53.5 79.49,54.03 v1(79.49,54.07) 78.92,54.07 78.87,54.13 77.72,54.13 J3#79.2 ; 104.52,53.72 104.38,53.58 ; 104.52,53.72 104.67,53.58 104.38,53.58 ; 104.52,53.72 v1(104.52,54.23) ; 104.38,53.58 104.33,53.53 ; 134.62,34.58 134.82,34.77 ; v1(218.82,73.28) 218.82,72.77 ; 218.82,72.77 218.68,72.63 ; 218.82,72.77 218.97,72.63 218.68,72.63 ; 294.88,91.68 294.83,91.63 ; 218.68,72.63 218.63,72.58 ; J3#46.2 58.67,54.13 59.82,54.13 59.87,54.07 v1(60.44,54.07) 60.44,54.03 60.96,53.5 75.06,53.5 J4#48.2 ; J4#34.2 113.16,91.6 99.06,91.6 98.54,92.13 v1(98.54,92.17) 97.97,92.17 97.92,92.23 96.77,92.23 J3#73.2 ; 218.68,91.68 218.63,91.63 ; 256.78,34.53 256.73,34.48 ; 256.78,34.53 256.92,34.67 ; 256.78,34.53 257.07,34.53 256.92,34.67 ; J3#2.2 115.82,73.18 116.97,73.18 117.02,73.12 v1(117.59,73.12) 117.59,73.08 118.11,72.55 132.21,72.55 J4#20.2 ; 66.42,34.67 66.57,34.53 66.28,34.53 ; 66.42,34.67 66.28,34.53 ; 66.42,34.67 v1(66.42,35.18) ; 58.42,34.58 58.62,34.77 ; 66.42,15.62 66.57,15.48 66.28,15.48 ; 66.42,15.62 v1(66.42,16.13) ; 66.42,15.62 66.28,15.48 ; 123.43,15.48 123.38,15.43 ; 142.62,53.72 142.77,53.58 142.48,53.58 ; 142.62,53.72 v1(142.62,54.23) ; 142.62,53.72 142.48,53.58 ; 248.92,53.62 249.12,53.82 ; J3#22.2 39.62,54.13 40.77,54.13 40.82,54.07 v1(41.39,54.07) 41.39,54.03 41.91,53.5 56.01,53.5 J4#8.2 ; 248.92,72.67 249.12,72.87 ; 161.67,34.67 161.82,34.53 161.53,34.53 ; 161.67,34.67 161.53,34.53 ; 161.67,34.67 v1(161.67,35.18) ; 66.28,34.53 66.23,34.48 ; J3#68.2 172.97,92.23 174.12,92.23 174.17,92.17 v1(174.74,92.17) 174.74,92.13 175.26,91.6 189.36,91.6 J4#43.2 ; J4#58.2 151.26,91.6 137.16,91.6 136.64,92.13 v1(136.64,92.17) 136.07,92.17 136.02,92.23 134.87,92.23 J3#51.2 ; J4#61.2 151.26,53.5 137.16,53.5 136.64,54.03 v1(136.64,54.07) 136.07,54.07 136.02,54.13 134.87,54.13 J3#69.2 ; 142.48,72.63 142.43,72.58 ; 9.13,91.68 9.08,91.63 ; 104.38,72.63 104.33,72.58 ; J3#6.2 20.57,54.13 21.72,54.13 21.77,54.07 v1(22.34,54.07) 22.34,54.03 22.86,53.5 36.96,53.5 J4#52.2 ; 142.48,53.58 142.43,53.53 ; 256.92,34.67 v1(256.92,35.18) ; 237.73,15.48 237.68,15.43 ; 161.53,34.53 161.48,34.48 ; v1(180.72,35.18) 180.72,34.67 ; J3#62.2 287.27,92.23 288.42,92.23 288.47,92.17 v1(289.04,92.17) 289.04,92.13 289.56,91.6 303.66,91.6 J4#19.2 ; 161.53,53.58 161.48,53.53 ; J3#31.2 1.52,73.18 2.67,73.18 2.72,73.12 v1(3.29,73.12) 3.29,73.08 3.81,72.55 17.91,72.55 J4#72.2 ; 218.68,34.53 218.63,34.48 ; J3#35.2 172.97,35.08 174.12,35.08 174.17,35.02 v1(174.74,35.02) 174.74,34.98 175.26,34.45 189.36,34.45 J4#65.2 ; J4#27.2 284.61,91.6 270.51,91.6 269.99,92.13 v1(269.99,92.17) 269.42,92.17 269.37,92.23 268.22,92.23 J3#15.2 ; 47.23,34.53 47.18,34.48 ; 47.23,34.53 47.52,34.53 47.37,34.67 ; 47.23,34.53 47.37,34.67 ; 256.78,53.58 256.73,53.53 ; 256.78,53.58 256.92,53.72 ; 256.78,53.58 257.07,53.58 256.92,53.72 ; J4#66.2 246.51,91.6 232.41,91.6 231.89,92.13 v1(231.89,92.17) 231.32,92.17 231.27,92.23 230.12,92.23 J3#13.2 ; J4#49.2 208.41,91.6 194.31,91.6 193.79,92.13 v1(193.79,92.17) 193.22,92.17 193.17,92.23 192.02,92.23 J3#53.2 ; 142.62,15.62 142.77,15.48 142.48,15.48 ; 142.62,15.62 142.48,15.48 ; 142.62,15.62 v1(142.62,16.13) ; 287.02,72.67 287.22,72.87 ; 142.62,91.82 v1(142.62,92.33) ; 9.13,34.53 9.08,34.48 ; 9.13,34.53 9.27,34.67 ; 9.13,34.53 9.42,34.53 9.27,34.67 ; v1(218.82,54.23) 218.82,53.72 ; 218.82,53.72 218.97,53.58 218.68,53.58 ; 218.82,53.72 218.68,53.58 ; J4#17.2 17.91,15.4 3.81,15.4 3.29,15.93 v1(3.29,15.97) 2.72,15.97 2.67,16.03 1.52,16.03 J3#29.2 ; 237.73,34.53 237.68,34.48 ; 9.13,53.58 9.42,53.58 9.27,53.72 ; 9.13,53.58 9.27,53.72 ; 9.13,53.58 9.08,53.53 ; J4#35.2 208.41,34.45 194.31,34.45 193.79,34.98 v1(193.79,35.02) 193.22,35.02 193.17,35.08 192.02,35.08 J3#63.2 ; J3#10.2 268.22,16.03 269.37,16.03 269.42,15.97 v1(269.99,15.97) 269.99,15.93 270.51,15.4 284.61,15.4 J4#41.2 ; 294.88,72.63 294.83,72.58 ; J4#37.2 284.61,72.55 270.51,72.55 269.99,73.08 v1(269.99,73.12) 269.42,73.12 269.37,73.18 268.22,73.18 J3#60.2 ; 199.63,15.48 199.58,15.43 ; 199.63,15.48 199.92,15.48 199.77,15.62 ; 199.63,15.48 199.77,15.62 ; v1(295.02,16.13) 295.02,15.62 ; 295.02,15.62 295.17,15.48 294.88,15.48 ; 295.02,15.62 294.88,15.48 ; 237.87,53.72 v1(237.87,54.23) ; 287.02,34.58 287.22,34.77 ; 1.27,53.62 1.47,53.82 ; 58.42,15.53 58.62,15.72 ; J3#47.2 211.07,54.13 212.22,54.13 212.27,54.07 v1(212.84,54.07) 212.84,54.03 213.36,53.5 227.46,53.5 J4#24.2 ; 199.77,34.67 199.92,34.53 199.63,34.53 ; 199.77,34.67 v1(199.77,35.18) ; 199.77,34.67 199.63,34.53 ; v1(47.37,73.28) 47.37,72.77 ; 47.37,72.77 47.52,72.63 47.23,72.63 ; 47.37,72.77 47.23,72.63 ; 153.67,15.53 153.87,15.72 ; 28.32,72.77 v1(28.32,73.28) ; 275.97,15.62 275.83,15.48 ; 275.97,15.62 v1(275.97,16.13) ; 275.97,15.62 276.12,15.48 275.83,15.48 ; 275.83,15.48 275.78,15.43 ; J3#4.2 287.27,35.08 288.42,35.08 288.47,35.02 v1(289.04,35.02) 289.04,34.98 289.56,34.45 303.66,34.45 J4#75.2 ; J3#76.2 192.02,73.18 193.17,73.18 193.22,73.12 v1(193.79,73.12) 193.79,73.08 194.31,72.55 208.41,72.55 J4#9.2 ; 96.52,34.58 96.72,34.77 ; 142.48,15.48 142.43,15.43 ; 58.42,72.67 58.62,72.87 ; J3#20.2 1.52,54.13 2.67,54.13 2.72,54.07 v1(3.29,54.07) 3.29,54.03 3.81,53.5 17.91,53.5 J4#21.2 ; 172.72,53.62 172.92,53.82 ; J3#64.2 153.92,54.13 155.07,54.13 155.12,54.07 v1(155.69,54.07) 155.69,54.03 156.21,53.5 170.31,53.5 J4#3.2 ; J4#25.2 75.06,15.4 60.96,15.4 60.44,15.93 v1(60.44,15.97) 59.87,15.97 59.82,16.03 58.67,16.03 J3#52.2 ; J3#71.2 153.92,16.03 155.07,16.03 155.12,15.97 v1(155.69,15.97) 155.69,15.93 156.21,15.4 170.31,15.4 J4#28.2 ; v1(199.77,16.13) 199.77,15.62 ; J4#16.2 113.16,72.55 99.06,72.55 98.54,73.08 v1(98.54,73.12) 97.97,73.12 97.92,73.18 96.77,73.18 J3#74.2 ; 248.92,15.53 249.12,15.72 ; 115.57,15.53 115.77,15.72 ; 9.27,34.67 v1(9.27,35.18) ; v1(199.77,73.28) 199.77,72.77 ; 28.18,53.58 28.13,53.53 ; 85.33,34.53 85.28,34.48 ; J3.2 1.52,92.23 2.67,92.23 2.72,92.17 v1(3.29,92.17) 3.29,92.13 3.81,91.6 17.91,91.6 J4.2 ; 180.72,91.82 v1(180.72,92.33) ; 237.87,72.77 237.73,72.63 ; 237.87,72.77 238.02,72.63 237.73,72.63 ; 237.87,72.77 v1(237.87,73.28) ; 237.73,72.63 237.68,72.58 ; 199.63,53.58 199.92,53.58 199.77,53.72 ; 199.63,53.58 199.77,53.72 ; 199.63,53.58 199.58,53.53 ; J4#77.2 151.26,15.4 137.16,15.4 136.64,15.93 v1(136.64,15.97) 136.07,15.97 136.02,16.03 134.87,16.03 J3#66.2 ; 294.88,15.48 294.83,15.43 ; 191.77,91.72 191.97,91.92 ; 47.23,91.68 47.18,91.63 ; 47.23,91.68 47.37,91.82 ; 47.23,91.68 47.52,91.68 47.37,91.82 ; 1.27,91.72 1.47,91.92 ; 153.67,72.67 153.87,72.87 ; 9.27,53.72 v1(9.27,54.23) ; 20.32,34.58 20.52,34.77 ; 267.97,34.58 268.17,34.77 ; J4#42.2 56.01,72.55 41.91,72.55 41.39,73.08 v1(41.39,73.12) 40.82,73.12 40.77,73.18 39.62,73.18 J3#59.2 ; J4#29.2 36.96,72.55 22.86,72.55 22.34,73.08 v1(22.34,73.12) 21.77,73.12 21.72,73.18 20.57,73.18 J3#30.2 ; 142.62,34.67 142.77,34.53 142.48,34.53 ; 142.62,34.67 v1(142.62,35.18) ; 142.62,34.67 142.48,34.53 ; 275.83,53.58 276.12,53.58 275.97,53.72 ; 275.83,53.58 275.97,53.72 ; 275.83,53.58 275.78,53.53 ; 218.68,53.58 218.63,53.53 ; J4#60.2 265.56,91.6 251.46,91.6 250.94,92.13 v1(250.94,92.17) 250.37,92.17 250.32,92.23 249.17,92.23 J3#61.2 ; J4#15.2 208.41,15.4 194.31,15.4 193.79,15.93 v1(193.79,15.97) 193.22,15.97 193.17,16.03 192.02,16.03 J3#16.2 ; 134.62,72.67 134.82,72.87 ; J3#58.2 39.62,35.08 40.77,35.08 40.82,35.02 v1(41.39,35.02) 41.39,34.98 41.91,34.45 56.01,34.45 J4#76.2 ; J4#31.2 303.66,15.4 289.56,15.4 289.04,15.93 v1(289.04,15.97) 288.47,15.97 288.42,16.03 287.27,16.03 J3#18.2 ; J4#7.2 189.36,53.5 175.26,53.5 174.74,54.03 v1(174.74,54.07) 174.17,54.07 174.12,54.13 172.97,54.13 J3#36.2 ; 39.37,72.67 39.57,72.87 ; 66.28,53.58 66.57,53.58 66.42,53.72 ; 66.28,53.58 66.42,53.72 ; 66.28,53.58 66.23,53.53 ; 58.42,53.62 58.62,53.82 ; 47.37,91.82 v1(47.37,92.33) ; J4#30.2 94.11,91.6 80.01,91.6 79.49,92.13 v1(79.49,92.17) 78.92,92.17 78.87,92.23 77.72,92.23 J3#32.2 ; 77.47,34.58 77.67,34.77 ; J3#56.2 230.12,54.13 231.27,54.13 231.32,54.07 v1(231.89,54.07) 231.89,54.03 232.41,53.5 246.51,53.5 J4#6.2 ; 210.82,15.53 211.02,15.72 ; 115.57,72.67 115.77,72.87 ; J3#23.2 153.92,92.23 155.07,92.23 155.12,92.17 v1(155.69,92.17) 155.69,92.13 156.21,91.6 170.31,91.6 J4#55.2 ; 229.87,34.58 230.07,34.77 ; 77.47,15.53 77.67,15.72 ; J4#32.2 265.56,34.45 251.46,34.45 250.94,34.98 v1(250.94,35.02) 250.37,35.02 250.32,35.08 249.17,35.08 J3#48.2 ; 153.67,34.58 153.87,34.77 ; 180.72,72.77 v1(180.72,73.28) ; 294.88,34.53 294.83,34.48 ; 275.97,53.72 v1(275.97,54.23) ; J3#78.2 58.67,35.08 59.82,35.08 59.87,35.02 v1(60.44,35.02) 60.44,34.98 60.96,34.45 75.06,34.45 J4#56.2 ; J4#79.2 36.96,91.6 22.86,91.6 22.34,92.13 v1(22.34,92.17) 21.77,92.17 21.72,92.23 20.57,92.23 J3#40.2 ; v1(47.37,35.18) 47.37,34.67 ; 123.57,53.72 v1(123.57,54.23) ; 199.77,53.72 v1(199.77,54.23) ; 77.47,53.62 77.67,53.82 ; J4#46.2 189.36,72.55 175.26,72.55 174.74,73.08 v1(174.74,73.12) 174.17,73.12 174.12,73.18 172.97,73.18 J3#26.2 ; J4#62.2 189.36,15.4 175.26,15.4 174.74,15.93 v1(174.74,15.97) 174.17,15.97 174.12,16.03 172.97,16.03 J3#3.2 ; 96.52,91.72 96.72,91.92 ; J3#42.2 96.77,35.08 97.92,35.08 97.97,35.02 v1(98.54,35.02) 98.54,34.98 99.06,34.45 113.16,34.45 J4#10.2 ; v1(256.92,54.23) 256.92,53.72 ; 142.48,34.53 142.43,34.48 ; 66.42,53.72 v1(66.42,54.23) ; J3#44.2 230.12,35.08 231.27,35.08 231.32,35.02 v1(231.89,35.02) 231.89,34.98 232.41,34.45 246.51,34.45 J4#74.2 ; 199.63,34.53 199.58,34.48 ; J3#65.2 115.82,92.23 116.97,92.23 117.02,92.17 v1(117.59,92.17) 117.59,92.13 118.11,91.6 132.21,91.6 J4#45.2 ; J3#38.2 230.12,16.03 231.27,16.03 231.32,15.97 v1(231.89,15.97) 231.89,15.93 232.41,15.4 246.51,15.4 J4#38.2 ; 1.27,34.58 1.47,34.77 ; 77.47,72.67 77.67,72.87 ; 1.27,15.53 1.47,15.72 ; J4#26.2 75.06,91.6 60.96,91.6 60.44,92.13 v1(60.44,92.17) 59.87,92.17 59.82,92.23 58.67,92.23 J3#45.2 ; J4#70.2 17.91,34.45 3.81,34.45 3.29,34.98 v1(3.29,35.02) 2.72,35.02 2.67,35.08 1.52,35.08 J3#57.2 ; J4#47.2 94.11,34.45 80.01,34.45 79.49,34.98 v1(79.49,35.02) 78.92,35.02 78.87,35.08 77.72,35.08 J3#12.2 ; J4#78.2 170.31,72.55 156.21,72.55 155.69,73.08 v1(155.69,73.12) 155.12,73.12 155.07,73.18 153.92,73.18 J3#43.2 ; J3#54.2 211.07,16.03 212.22,16.03 212.27,15.97 v1(212.84,15.97) 212.84,15.93 213.36,15.4 227.46,15.4 J4#69.2 ; 115.57,53.62 115.77,53.82 ; 267.97,72.67 268.17,72.87 ; v1(66.42,92.33) 66.42,91.82 ; 172.72,34.58 172.92,34.77 ; 85.33,91.68 85.28,91.63 ; 96.52,72.67 96.72,72.87 ; 199.63,91.68 199.58,91.63 ; J4#59.2 227.46,91.6 213.36,91.6 212.84,92.13 v1(212.84,92.17) 212.27,92.17 212.22,92.23 211.07,92.23 J3#70.2 ; J3#9.2 39.62,16.03 40.77,16.03 40.82,15.97 v1(41.39,15.97) 41.39,15.93 41.91,15.4 56.01,15.4 J4#73.2 ; 210.82,53.62 211.02,53.82 ; J3#37.2 268.22,35.08 269.37,35.08 269.42,35.02 v1(269.99,35.02) 269.99,34.98 270.51,34.45 284.61,34.45 J4#64.2 ; v1(47.37,54.23) 47.37,53.72 ; 172.72,15.53 172.92,15.72 ; 229.87,53.62 230.07,53.82 ; J3#24.2 192.02,54.13 193.17,54.13 193.22,54.07 v1(193.79,54.07) 193.79,54.03 194.31,53.5 208.41,53.5 J4#50.2 ; 9.27,15.62 v1(9.27,16.13) ; 47.23,72.63 